# Allegro board SDHCalFEB.brd (continued)
## Placement (name value [footprint] x y rotation side) (continued)
C1190  10nF  [SC0603]  223.04 27.03 180 top
C1191  10nF  [SC0603]  220.88 29.67 180 top
C1196  10pF 1%  [SC0603]  249.15 83.95 180 top
C1197  10pF 1%  [SC0603]  250.67 85.45 180 top
C1198  0.1uF  [SC0402]  219.73 39.8 90 top
C1199  0.1uF  [SC0402]  220.72 39.8 90 top
C1200  0.1uF  [SC0402]  226.1 39.8 90 top
C1201  0.1uF  [SC0402]  222.36 75.84 270 top
C1202  0.1uF  [SC0402]  230.75 39.78 90 top
C1203  0.1uF  [SC0402]  225.11 39.8 90 top
C1204  0.1uF  [SC0402]  231.74 39.78 90 top
C1205  0.1uF  [SC0402]  229.73 39.78 90 top
C1206  0.1uF  [SC0402]  221.35 75.84 90 top
C1207  0.1uF  [SC0402]  235.84 73.44 0 top
C1208  0.1uF  [SC0402]  236.48 45.29 270 top
C1209  0.1uF  [SC0402]  233.36 41.81 270 top
C1210  0.1uF  [SC0402]  217.96 75.22 0 top
C1211  0.1uF  [SC0402]  218.75 39.8 270 top
C1212  0.1uF  [SC0402]  223.02 39.78 270 top
C1213  0.1uF  [SC0402]  224.01 39.78 270 top
C1214  0.1uF  [SC0402]  228.76 39.78 270 top
C1215  10uF  [STC3528]  175.33 98.15 180 top
C1216  10uF  [STC3528]  184.75 33.4 180 top
C1217  10uF  [STC3528]  235.52 76.07 0 top
C1218  10uF  [STC3528]  235.92 39.62 270 top
C1219  10nF  [SC0603]  168.43 78.13 180 top
C1220  10nF  [SC0603]  169.19 93.88 270 top
C1221  10nF  [SC0603]  159.94 86.16 180 top
C1222  10nF  [SC0603]  157.51 90.66 180 top
C1223  10nF  [SC0603]  149.94 86.14 180 top
C1224  10nF  [SC0603]  147.5 90.66 180 top
C1225  10nF  [SC0603]  139.93 86.16 180 top
C1226  10nF  [SC0603]  137.49 90.68 180 top
C1227  10nF  [SC0603]  129.95 86.19 180 top
C1228  10nF  [SC0603]  128.42 94.64 180 top
C1229  10nF  [SC0603]  125.22 93.85 270 top
C1230  10nF  [SC0603]  124.46 86.15 0 top
C1231  10nF  [SC0603]  116.89 90.67 0 top
C1232  10nF  [SC0603]  105.23 89.03 270 top
C1233  10nF  [SC0603]  119.71 71.45 270 top
C1234  10nF  [SC0603]  116.89 80.67 0 top
C1235  10nF  [SC0603]  106.91 80.69 0 top
C1236  10nF  [SC0603]  103.69 79.31 0 top
C1237  10nF  [SC0603]  111.21 69.92 270 top
C1238  10nF  [SC0603]  106.94 73.65 0 top
C1239  10nF  [SC0603]  104.53 71.34 0 top
C1240  10nF  [SC0603]  162.06 73.72 0 top
C1241  10nF  [SC0603]  166.94 70.7 0 top
C1242  10nF  [SC0603]  170.91 69.18 180 top
C1243  10nF  [SC0603]  114.79 65.44 0 top
C1244  10nF  [SC0603]  119.49 62.32 0 top
C1245  10nF  [SC0603]  164.96 66.79 180 top
C1246  10nF  [SC0603]  161.64 62.98 180 top
C1247  10nF  [SC0603]  170.15 63 180 top
C1248  10nF  [SC0603]  109.02 60.7 0 top
C1249  10nF  [SC0603]  102.23 63.29 0 top
C1250  10nF  [SC0603]  105.21 58.97 0 top
C1251  10nF  [SC0603]  104.44 56.18 0 top
C1253  10nF  [SC0603]  112.04 53.72 0 top
C1258  10nF  [SC0603]  118.16 53.36 0 top
C1259  10nF  [SC0603]  104.47 46.15 0 top
C1262  10nF  [SC0603]  112.04 43.71 0 top
C1268  10nF  [SC0603]  120.65 42.04 90 top
C1269  10nF  [SC0603]  121.21 32.36 0 top
C1270  10nF  [SC0603]  119.89 29.71 0 top
C1271  10nF  [SC0603]  121.28 23.57 0 top
C1272  10nF  [SC0603]  121.31 20.95 0 top
C1273  10nF  [SC0603]  129.21 21.97 90 top
C1274  10nF  [SC0603]  131.83 22.05 90 top
C1275  10nF  [SC0603]  141.15 18.57 180 top
C1276  10nF  [SC0603]  141.05 21.16 180 top
C1277  10nF  [SC0603]  142.42 27.23 180 top
C1278  10nF  [SC0603]  141.17 29.87 180 top
C1283  10pF 1%  [SC0603]  170.15 83.8 180 top
C1284  10pF 1%  [SC0603]  171.68 85.3 180 top
C1285  0.1uF  [SC0402]  139.72 39.8 90 top
C1286  0.1uF  [SC0402]  140.73 39.8 90 top
C1287  0.1uF  [SC0402]  146.09 39.83 90 top
C1288  0.1uF  [SC0402]  142.35 75.82 270 top
C1289  0.1uF  [SC0402]  150.66 39.8 90 top
C1290  0.1uF  [SC0402]  145.1 39.8 90 top
C1291  0.1uF  [SC0402]  151.65 39.8 90 top
C1292  0.1uF  [SC0402]  149.67 39.8 90 top
C1293  0.1uF  [SC0402]  141.34 75.82 90 top
C1294  0.1uF  [SC0402]  155.83 73.39 0 top
C1295  0.1uF  [SC0402]  156.47 45.29 270 top
C1296  0.1uF  [SC0402]  153.12 41.81 270 top
C1297  0.1uF  [SC0402]  137.95 75.22 0 top
C1298  0.1uF  [SC0402]  138.74 39.8 270 top
C1299  0.1uF  [SC0402]  142.99 39.8 270 top
C1300  0.1uF  [SC0402]  143.98 39.8 270 top
C1301  0.1uF  [SC0402]  148.7 39.8 270 top
C1302  10uF  [STC3528]  105.12 32.89 180 top
C1303  10uF  [STC3528]  114.93 97.03 180 top
C1304  10uF  [STC3528]  155.71 75.79 0 top
C1305  10uF  [STC3528]  157.39 41.43 0 top
C1306  10nF  [SC0603]  88.42 78.13 180 top
C1307  10nF  [SC0603]  89.18 93.88 270 top
C1308  10nF  [SC0603]  79.93 86.16 180 top
C1309  10nF  [SC0603]  77.5 90.68 180 top
C1310  10nF  [SC0603]  69.95 86.14 180 top
C1311  10nF  [SC0603]  67.51 90.66 180 top
C1312  10nF  [SC0603]  59.94 86.14 180 top
C1313  10nF  [SC0603]  57.51 90.68 180 top
C1314  10nF  [SC0603]  49.93 86.17 180 top
C1315  10nF  [SC0603]  48.41 94.64 180 top
C1316  10nF  [SC0603]  45.21 93.88 270 top
C1317  10nF  [SC0603]  44.45 86.15 0 top
C1320  10nF  [SC0603]  39.19 73.86 270 top
C1323  10nF  [SC0603]  31.61 72.15 0 top
C1326  10nF  [SC0603]  31.66 69.53 0 top
C1327  10nF  [SC0603]  82.19 73.71 0 top
C1328  10nF  [SC0603]  86.94 70.71 0 top
C1329  10nF  [SC0603]  90.93 69.19 180 top
C1330  10nF  [SC0603]  32.92 63.75 0 top
C1331  10nF  [SC0603]  32.97 61.21 0 top
C1332  10nF  [SC0603]  84.51 66.76 180 top
C1333  10nF  [SC0603]  81.64 62.97 180 top
C1334  10nF  [SC0603]  90.17 63 180 top
C1336  10nF  [SC0603]  31.47 55.06 0 top
C1340  10nF  [SC0603]  31.45 52.45 0 top
C1355  10nF  [SC0603]  40.67 42.04 90 top
C1356  10nF  [SC0603]  40.92 32.53 0 top
C1357  10nF  [SC0603]  39.62 29.97 0 top
C1358  10nF  [SC0603]  41.3 24.02 0 top
C1359  10nF  [SC0603]  41.25 21.36 0 top
C1360  10nF  [SC0603]  49.38 22.71 90 top
C1361  10nF  [SC0603]  51.74 22.71 90 top
C1362  10nF  [SC0603]  60.66 18.62 180 top
C1363  10nF  [SC0603]  60.5 21.29 180 top
C1364  10nF  [SC0603]  61.93 27.23 180 top
C1365  10nF  [SC0603]  60.66 29.85 180 top
C1370  10pF 1%  [SC0603]  89.53 84.13 180 top
C1371  10pF 1%  [SC0603]  91.06 85.63 180 top
C1372  0.1uF  [SC0402]  59.71 39.8 90 top
C1373  0.1uF  [SC0402]  60.7 39.8 90 top
C1374  0.1uF  [SC0402]  66.08 39.78 90 top
C1375  0.1uF  [SC0402]  62.34 75.82 270 top
C1376  0.1uF  [SC0402]  70.68 39.78 90 top
C1377  0.1uF  [SC0402]  65.09 39.78 90 top
C1378  0.1uF  [SC0402]  71.67 39.78 90 top
C1379  0.1uF  [SC0402]  69.69 39.78 90 top
C1380  0.1uF  [SC0402]  61.33 75.82 90 top
C1381  0.1uF  [SC0402]  75.84 73.44 0 top
C1382  0.1uF  [SC0402]  76.44 45.29 270 top
C1383  0.1uF  [SC0402]  73.49 40.82 270 top
C1384  0.1uF  [SC0402]  57.94 75.19 0 top
C1385  0.1uF  [SC0402]  58.72 39.79 270 top
C1386  0.1uF  [SC0402]  62.97 39.77 270 top
C1387  0.1uF  [SC0402]  63.96 39.77 270 top
C1388  0.1uF  [SC0402]  68.68 39.77 270 top
C1389  10uF  [STC3528]  30.9 80.87 180 top
C1390  10uF  [STC3528]  32 41.01 270 top
C1391  10uF  [STC3528]  75.29 76.17 0 top
C1392  10uF  [STC3528]  77.68 41.55 0 top
C1393  0.1uF  [SC0603]  268.26 345.97 270 top
C1394  10uF  [STC3528]  263.36 350.32 180 top
C1395  0.47uF  [SC0603]  265.63 342.66 180 top
C1396  1nF  [SC0603]  215.15 346.34 90 top
C1397  1nF  [SC0603]  214.72 351.81 270 top
C1398  0.1uF  [SC0603]  272.3 346.34 0 top
C1399  0.1uF  [SC0603]  218.5 341.36 0 top
C1400  0.1uF  [SC0603]  236.97 352.56 180 top
C1401  0.1uF  [SC0603]  213 358.18 180 top
C1402  0.1uF  [SC0603]  193.08 352.39 180 top
C1403  10uF  [STC3528]  185.16 349.88 180 top
C1404  10uF  [STC3528]  223.68 350.55 0 top
C1405  10uF  [STC3528]  277.25 349.81 0 top
C1406  10uF  [STC3528]  205.5 349 180 top
C1407  10uF  [STC3528]  232.83 349.68 180 top
C1410  0.1uF  [SC0603]  355.03 202.16 90 top
C1411  0.1uF  [SC0603]  355.05 199.14 270 top
C1412  0.1uF  [SC0603]  355.13 193.42 90 top
C1413  0.1uF  [SC0603]  355.16 190.4 270 top
C1414  0.1uF  [SC0603]  355.38 137.92 90 top
C1415  0.1uF  [SC0603]  356.16 135.65 0 top
C1416  0.1uF  [SC0603]  356.11 126.56 0 top
C1417  0.1uF  [SC0603]  355.33 128.83 90 top
C1418  10uF  [STC3528]  357.76 202.44 90 top
C1419  10uF  [STC3528]  358.09 190.32 270 top
C1420  10uF  [STC3528]  360.22 138.38 0 top
C1421  10uF  [STC3528]  359.91 130.96 45 top
C1422  0.1uF  [SC0603]  354.88 181.97 90 top
C1423  0.1uF  [SC0603]  355 170.21 90 top
C1424  0.1uF  [SC0603]  355.16 158.45 90 top
C1425  0.1uF  [SC0603]  354.95 147.09 90 top
C1426  10uF  [STC3528]  357.68 182.27 90 top
C1427  10uF  [STC3528]  360.22 166.95 0 top
C1428  10uF  [STC3528]  359.77 155.88 0 top
C1429  10uF  [STC3528]  358.37 144.25 270 top
C1430  0.1uF  [SC0603]  350.94 323.72 270 top
C1431  0.1uF  [SC0603]  354.32 239.55 270 top
C1432  0.1uF  [SC0603]  354.67 208.48 270 top
C1433  0.1uF  [SC0603]  375.98 215.14 270 top
C1434  0.1uF  [SC0603]  91.21 357.47 0 top
C1435  0.1uF  [SC0603]  90.98 350.74 0 top
C1436  0.1uF  [SC0603]  90.68 343.5 0 top
C1437  0.1uF  [SC0603]  105.21 352.34 180 top
C1438  0.1uF  [SC0603]  131.19 356.55 180 top
C1439  0.1uF  [SC0603]  131.22 349.08 180 top
C1440  0.1uF  [SC0603]  131.29 342.15 180 top
C1441  0.1uF  [SC0603]  360.1 169.74 0 top
C1442  0.1uF  [SC0603]  363.07 285 180 top
C1443  0.1uF  [SC0603]  363.02 286.65 180 top
C1444  0.1uF  [SC0603]  359.75 175.77 270 top
C1445  0.1uF  [SC0603]  363.75 295.69 180 top
C1446  10uF  [STC3528]  58.47 355.4 90 top
C1447  10uF  [STC3528]  84.73 24.23 270 top
C1448  10uF  [STC3528]  165.56 26.9 270 top
C1449  10uF  [STC3528]  320.95 23.65 270 top
C1450  10uF  [STC3528]  245.41 26.26 270 top
C1451  10uF  [STC3528]  99.54 336.8 0 top
C1452  10uF  [STC3528]  159.72 350.29 0 top
C1453  10uF  [STC3528]  176.2 353.52 180 top
C1454  10uF  [STC3528]  350.59 265.75 315 top
C1455  10uF  [STC3528]  63.73 355.4 90 top
C1456  10uF  [STC3528]  323.42 47.37 0 top
C1457  10uF  [STC3528]  369.42 185.9 0 top
C1458  10uF  [STC3528]  159.69 354.43 0 top
C1459  0.1uF  [SC0603]  387.76 98.76 90 bottom
C1460  10uF  [STC3528]  389.28 93.34 270 bottom
C1461  10uF  [SC0805]  377.6 107.69 90 top
C1462  10uF  [SC0805]  379.6 107.69 90 top
C1463  47uF  [SC1206]  375.23 108.08 90 top
C1464  0.1uF  [SC0603]  368.02 103.96 90 top
C1465  10uF  [STC3528]  371.93 96.9 270 top
C1466  47uF  [SC1206]  384.25 107.24 270 top
C1467  0.1uF  [SC0603]  375.47 102.18 180 top
C1468  0.1uF  [SC0603]  384.73 102.9 0 top
C1469  10uF  [SC0805]  378.97 290.37 90 top
C1470  10uF  [SC0805]  380.97 290.37 90 top
C1471  47uF  [SC1206]  376.63 290.75 90 top
C1472  0.1uF  [SC0603]  369.37 293.19 90 top
C1473  10uF  [STC3528]  364.34 289.38 180 top
C1474  47uF  [SC1206]  384.3 290.56 270 top
C1475  0.1uF  [SC0603]  376.78 285.01 180 top
C1476  0.1uF  [SC0603]  386.3 285.39 0 top
C1477  0.1uF  [SC0603]  345.43 322.35 270 top
C1478  0.1uF  [SC0603]  349.75 238.46 270 top
C1479  0.1uF  [SC0603]  350 207.31 270 top
C1480  0.1uF  [SC0603]  356.96 108.86 315 top
C1481  10uF  [STC3528]  347.85 105.73 225 top
C1482  10uF  [STC3528]  351.89 348.28 0 top
C1483  10uF  [STC3528]  363.45 212.27 0 top
C1484  10uF  [STC3528]  363.14 240.13 0 top
C1485  0.1uF  [SC0603]  359.23 103.29 180 top
C1486  10uF  [STC3528]  362.97 106.2 90 top
C1487  10uF  [STC3528]  395.48 90.35 90 bottom
C1488  0.1uF  [SC0603]  379.35 90.7 0 bottom
D1  Green  [SD0805]  350.72 22.81 180 top
D2  Green  [SD0805]  350.72 26.62 180 top
D3  Green  [SD0805]  350.72 30.43 180 top
D4  Green  [SD0805]  350.72 34.24 180 top
D6  Green  [SD0805]  355.09 38.02 0 top
D7  Green  [SD0805]  364.03 88.62 270 top
D8  Green  [SD0805]  374.73 280.57 180 top
G1  GemGndPad  [GEMGNDPAD]  1.7 1.7 180 bottom
G2  GemGndPad  [GEMGNDPAD]  1.7 372.7 180 bottom
G3  GemGndPad  [GEMGNDPAD]  372.7 372.7 180 bottom
G4  GemGndPad  [GEMGNDPAD]  372.7 1.7 180 bottom
J1  -  [SMA_SMD]  341.66 315.06 0 top
J2  -  [SMA_SMD]  331.65 275.46 0 top
J3  -  [SMA_SMD]  256.7 327.01 0 top
J4  -  [SMA_SMD]  253.65 275.22 0 top
J5  -  [SMA_SMD]  177.55 327.13 0 top
J6  -  [SMA_SMD]  172.98 275.79 0 top
J7  -  [SMA_SMD]  97.42 327.1 0 top
J8  -  [SMA_SMD]  90.97 277.09 0 top
J9  -  [SMA_SMD]  337.85 247.14 0 top
J10  -  [SMA_SMD]  332.72 196.44 0 top
J11  -  [SMA_SMD]  256.35 247.14 0 top
J12  -  [SMA_SMD]  253.65 196.39 0 top
J13  -  [SMA_SMD]  176.36 247.12 0 top
J14  -  [SMA_SMD]  173.08 196.57 0 top
J15  -  [SMA_SMD]  96.38 247.24 0 top
J16  -  [SMA_SMD]  93.43 196.52 0 top
J17  -  [SMA_SMD]  337.8 167.18 0 top
J18  -  [SMA_SMD]  333 116.51 0 top
J19  -  [SMA_SMD]  256.83 167.69 0 top
J20  -  [SMA_SMD]  252.94 116 0 top
J21  -  [SMA_SMD]  176.64 166.95 0 top
J22  -  [SMA_SMD]  172.65 116.81 0 top
J23  -  [SMA_SMD]  96.4 167.11 0 top
J24  -  [SMA_SMD]  93 115.95 0 top
J25  -  [SMA_SMD]  337.22 87.15 0 top
J26  -  [SMA_SMD]  332.75 36.63 0 top
J27  -  [SMA_SMD]  256.07 86.94 0 top
J28  -  [SMA_SMD]  252.26 36.37 0 top
J29  -  [SMA_SMD]  177.12 86.84 0 top
J30  -  [SMA_SMD]  173.57 35.89 0 top
J31  -  [SMA_SMD]  96.4 87.12 0 top
J32  -  [SMA_SMD]  92.95 35.89 0 top
J33  CONN  [ERNI154744FEMALECONNECTOR]  393.97 148.21 0 top
J34  CONN  [ERNI154744FEMALECONNECTOR]  393.97 211.97 0 top
J35  CONN  [ERNI154744FEMALECONNECTOR]  393.97 275.72 0 top
J36  -  [SMA_SMD]  307.29 346.2 0 top
J37  -  [SMA_SMD]  225.58 336.7 0 top
J38  -  [SMA_SMD]  147.19 341.45 0 top
J39  -  [SMA_SMD]  42.09 342.93 0 top
J40  -  [SMA_SMD]  296.88 346.48 0 top
J41  -  [SMA_SMD]  188.47 338.79 0 top
J42  -  [SMA_SMD]  108.33 338.08 0 top
J43  -  [SMA_SMD]  30.05 336.48 0 top
J44  -  [SMA_SMD]  338 265.38 0 top
J45  -  [SMA_SMD]  257.23 257.3 0 top
J46  -  [SMA_SMD]  177.57 257.79 0 top
J47  -  [SMA_SMD]  98.09 257.63 0 top
J48  -  [SMA_SMD]  337.34 177.47 0 top
J49  -  [SMA_SMD]  257.81 177.67 0 top
J50  -  [SMA_SMD]  177.24 177.5 0 top
J51  -  [SMA_SMD]  97.21 177.42 0 top
J52  -  [SMA_SMD]  265.1 24.61 0 top
J53  -  [SMA_SMD]  186.11 24.44 0 top
J54  -  [SMA_SMD]  105.18 23.6 0 top
J55  DC Jack  [SIP-4P-156]  384.37 84.76 180 top
J56  -  [SMA_SMD]  186.54 97.69 0 top
J57  -  [SMA_SMD]  105.11 98.3 0 top
J58  -  [SMA_SMD]  35.28 88.44 0 top
J59  -  [SMA_SMD]  338.07 257.58 0 top
J60  -  [SMA_SMD]  187.4 257.71 0 top
J61  -  [SMA_SMD]  275.11 178.1 0 top
J62  -  [SMA_SMD]  106.55 257.68 0 top
J63  -  [SMA_SMD]  33.25 257.58 0 top
J64  -  [SMA_SMD]  186.44 177.57 0 top
J65  -  [SMA_SMD]  106.27 177.6 0 top
J66  -  [SMA_SMD]  35.48 176.05 0 top
J67  -  [SMA_SMD]  266.37 97.71 0 top
J68  -  [SMA_SMD]  23.42 24.05 0 top
L1  10uH  [SL1812]  385.01 92.71 90 bottom
L2  10uH  [SL1812]  371.74 104.4 270 top
L3  10uH  [SL1812]  371.64 289.37 180 top
M1  MECH_HOLE_3MM  [MECH_HOLE_3_2MM_PLATED]  395.81 82.3 0 top
M2  MECH_HOLE_3MM  [MECH_HOLE_3_2MM_PLATED]  395.81 292.1 0 top
NOREF  -  []  383.67 163.19 0 top
NOREF#2  -  []  417.25 16.33 0 top
NOREF#3  -  []  247.27 214.71 0 top
NOREF#4  -  []  343.05 180.06 0 top
NOREF#5  -  []  214.88 134.67 0 top
NOREF#6  -  []  357.63 39.81 90 top
NOREF#7  -  []  208.33 132.46 0 top
NOREF#8  -  []  217.93 135.76 0 top
NOREF#9  -  []  374.4 0 90 top
NOREF#10  -  []  400.25 77 90 top
NOREF#11  -  []  343.36 73.58 0 top
NOREF#12  -  []  377.7 165.51 0 top
NOREF#13  -  []  242.16 213.39 0 top
NOREF#14  -  []  282.42 289.94 0 top
NOREF#15  -  []  178.56 53.16 0 top
NOREF#16  -  []  289.84 295.4 0 top
NOREF#17  -  []  223.93 137.08 0 top
NOREF#18  -  []  340.36 206.58 0 top
NOREF#19  -  []  184.48 54.46 0 top
NOREF#20  -  []  343.31 215.82 0 top
NOREF#21  -  []  343.13 74.96 0 top
NOREF#22  -  []  350.47 10.79 90 top
NOREF#23  -  []  343.28 179.43 0 top
NOREF#24  -  []  250.09 215.77 0 top
NOREF#25  -  []  342.49 76.71 0 top
NOREF#26  -  []  300.4 339.4 0 top
NOREF#27  -  []  375.77 35.52 90 top
NOREF#28  -  []  209.8 133.38 0 top
NOREF#29  -  []  258.24 217.3 0 top
NOREF#30  -  []  374.4 297.4 0 top
NOREF#31  -  []  225.91 137.26 0 top
NOREF#32  -  []  212.17 134.44 0 top
NOREF#33  -  []  342.9 216.59 0 top
NOREF#34  -  []  368.2 42.24 90 top
NOREF#35  -  []  295.73 296.34 0 top
NOREF#36  -  []  256.51 217.07 0 top
NOREF#37  -  []  192.46 55.98 0 top
NOREF#38  -  []  180.49 53.37 0 top
NOREF#39  -  []  280.77 289.71 0 top
NOREF#40  -  []  197 57.3 0 top
NOREF#41  -  []  -12.04 193.45 0 top
NOREF#42  -  []  341.66 81.41 0 top
NOREF#43  -  []  339.27 202.72 0 top
NOREF#44  -  []  341.41 82.68 0 top
NOREF#45  -  []  345.11 190.12 0 top
NOREF#46  -  []  0 374.4 0 top
NOREF#47  -  []  332.41 149.1 0 top
NOREF#48  -  []  342.34 211.38 0 top
NOREF#49  -  []  339.52 203.71 0 top
NOREF#50  -  []  342.21 185.14 0 top
NOREF#51  -  []  190.55 55.75 0 top
NOREF#52  -  []  331.62 147.96 0 top
NOREF#53  -  []  323.8 159.08 0 top
NOREF#54  -  []  241 213.16 0 top
NOREF#55  -  []  323.6 160.02 0 top
NOREF#56  -  []  340.59 207.72 0 top
NOREF#57  -  []  0 0 90 top
NOREF#58  -  []  252.73 216 0 top
NOREF#59  -  []  344.12 175.77 0 top
NOREF#60  -  []  288.47 295.17 0 top
NOREF#61  -  []  355.04 335.38 0 top
NOREF#62  -  []  344.88 191.44 0 top
NOREF#63  -  []  380.8 168.25 0 top
NOREF#64  -  []  381.66 168.05 0 top
NOREF#65  -  []  326.36 153.31 0 top
NOREF#66  -  []  374.4 297.4 90 top
NOREF#67  -  []  287.63 292.46 0 top
NOREF#68  -  []  343.89 176.48 0 top
NOREF#69  -  []  370.28 178.97 0 top
NOREF#70  -  []  294 296.09 0 top
NOREF#71  -  []  375.56 165.74 0 top
NOREF#72  -  []  286.89 291.39 0 top
NOREF#73  -  []  195.68 57.05 0 top
NOREF#74  -  []  384.76 162.97 0 top
NOREF#75  -  []  344.02 71.7 0 top
NOREF#76  -  []  344.25 71.07 0 top
NOREF#77  -  []  245.24 214.48 0 top
NOREF#78  -  []  371.65 177.24 0 top
NOREF#79  -  []  342.29 77.8 0 top
NOREF#80  -  []  342.57 212.5 0 top
NOREF#81  -  []  331.95 145.29 0 top
NOREF#82  -  []  187.4 54.66 0 top
NOREF#83  -  []  219.48 135.97 0 top
NOREF#84  -  []  327.46 154.69 0 top
NOREF#85  -  []  331.5 144.53 0 top
NOREF#86  -  []  342.42 183.9 0 top
P1  Pad30x30V2  [PADREADOUTARRAY1V1]  337.2 37.2 180 bottom
R1  100  [SR0603]  332.2 318.89 270 top
R2  100  [SR0603]  332.2 329 270 top
R3  100  [SR0603]  322.2 325.43 90 top
R4  100  [SR0603]  319.76 331.44 270 top
R5  100  [SR0603]  312.19 325.44 90 top
R6  100  [SR0603]  309.76 331.43 270 top
R7  100  [SR0603]  300.68 326.91 90 top
R8  100  [SR0603]  299.7 331.43 270 top
R9  100  [SR0603]  292.2 325.46 90 top
R10  100  [SR0603]  291.44 334.65 180 top
R11  100  [SR0603]  282.96 334.67 0 top
R12  100  [SR0603]  282.2 325.45 90 top
R13  100  [SR0603]  274.7 331.44 270 top
R14  100  [SR0603]  262.94 329.76 0 top
R15  100  [SR0603]  281.94 312.2 180 top
R16  100  [SR0603]  274.65 321.43 270 top
R17  100  [SR0603]  265.46 322.19 0 top
R18  100  [SR0603]  260.15 320.21 0 top
R19  100  [SR0603]  271.9 312.2 180 top
R20  100  [SR0603]  263.94 313.66 0 top
R21  100  [SR0603]  262.13 311.45 0 top
R22  100  [SR0603]  320.68 313.08 90 top
R23  100  [SR0603]  324.01 310.71 0 top
R24  100  [SR0603]  333.68 310.43 270 top
R25  100  [SR0603]  272.85 304.78 90 top
R26  100  [SR0603]  276.33 302.2 0 top
R27  100  [SR0603]  321.59 304.3 180 top
R28  100  [SR0603]  323.97 302.18 270 top
R29  100  [SR0603]  329.71 301.44 270 top
R30  100  [SR0603]  269.87 301.45 180 top
R31  100  [SR0603]  264.77 305.58 270 top
R32  100  [SR0603]  262.94 299.72 270 top
R33  100  [SR0603]  262.18 295.46 90 top
R34  100  [SR0603]  262.18 288.75 90 top
R35  100  [SR0603]  267.25 292.26 180 top
R36  100  [SR0603]  270.06 288.55 90 top
R37  100  [SR0603]  331.95 292.21 180 top
R38  100  [SR0603]  322.94 294.77 90 top
R39  100  [SR0603]  327.2 290.88 270 top
R40  100  [SR0603]  276.92 290 90 top
R41  100  [SR0603]  261.17 284.99 90 top
R42  100  [SR0603]  263.61 280.14 90 top
R43  100  [SR0603]  262.18 275.42 90 top
R44  100  [SR0603]  269.67 281.46 180 top
R45  100  [SR0603]  273.89 275.04 90 top
R46  100  [SR0603]  273.22 271.45 0 top
R47  100  [SR0603]  331.43 284.65 180 top
R48  100  [SR0603]  324.73 282.97 90 top
R49  100  [SR0603]  321.14 282.2 0 top
R50  100  [SR0603]  281.44 279.75 180 top
R51  100  [SR0603]  262.95 264.82 0 top
R52  100  [SR0603]  271.49 263.2 0 top
R53  100  [SR0603]  283.2 271.45 0 top
R54  100  [SR0603]  278.96 262.2 180 top
R55  100  [SR0603]  288.99 262.2 180 top
R56  100  [SR0603]  288.96 272.21 180 top
R57  100  [SR0603]  298.97 262.2 180 top
R58  100  [SR0603]  308.98 262.2 180 top
R59  100  [SR0603]  318.96 262.2 180 top
R60  100  [SR0603]  328.97 262.2 180 top
R61  100  [SR0603]  331.43 269.72 180 top
R62  100  [SR0603]  321.45 269.74 180 top
R63  100  [SR0603]  311.44 269.69 180 top
R64  100  [SR0603]  302.5 272.19 0 top
R65  0  [SR0603]  326.89 318.13 180 top
R66  x  [SR0603]  326.89 316.58 180 top
R67  x  [SR0603]  307.24 279.49 270 top
R68  0  [SR0603]  314.64 273.99 180 top
R69  x  [SR0603]  316.17 272.06 0 top
R70  x  [SR0603]  314.64 275.43 180 top
R71  50  [SR0603]  336.78 314.29 270 top
R72  50  [SR0603]  326.62 276.21 270 top
R77  10k  [SR0603]  79.57 357.46 0 top
R78  10k  [SR0603]  79.44 350.72 180 top
R79  10k  [SR0603]  79.13 343.54 0 top
R80  10k  [SR0603]  389.52 242.7 0 top
R81  10k  [SR0603]  389.52 240.16 0 top
R82  10k  [SR0603]  396.47 241.43 180 bottom
R83  10k  [SR0603]  389.48 237.62 0 top
R84  10k  [SR0603]  396.49 238.89 180 bottom
R85  100  [SR0603]  251.43 318.21 180 top
R86  100  [SR0603]  251.43 334.64 180 top
R87  100  [SR0603]  242.21 325.45 90 top
R88  100  [SR0603]  241.76 331.44 270 top
R89  100  [SR0603]  232.2 325.45 90 top
R90  100  [SR0603]  229.7 331.44 270 top
R91  100  [SR0603]  222.2 325.45 90 top
R92  100  [SR0603]  219.71 331.44 270 top
R93  100  [SR0603]  212.21 325.45 90 top
R94  100  [SR0603]  211.46 334.74 180 top
R95  100  [SR0603]  202.97 334.73 0 top
R96  100  [SR0603]  202.21 325.48 90 top
R97  100  [SR0603]  197.67 331.44 270 top
R98  100  [SR0603]  182.96 329.7 0 top
R99  100  [SR0603]  201.9 312.21 180 top
R100  100  [SR0603]  194.69 321.44 270 top
R101  100  [SR0603]  185.45 322.2 0 top
R102  100  [SR0603]  179.5 320.07 0 top
R103  100  [SR0603]  191.95 312.19 180 top
R104  100  [SR0603]  184.02 313.66 0 top
R105  100  [SR0603]  181.58 311.68 0 top
R106  100  [SR0603]  240.13 312.9 90 top
R107  100  [SR0603]  244.02 310.72 0 top
R108  100  [SR0603]  252.2 311.89 270 top
R109  100  [SR0603]  192.66 304.32 90 top
R110  100  [SR0603]  196.39 302.08 0 top
R111  100  [SR0603]  256.18 311.89 270 top
R112  100  [SR0603]  241.45 304.75 90 top
R113  100  [SR0603]  252.93 304.7 90 top
R114  100  [SR0603]  188.93 302.21 180 top
R115  100  [SR0603]  181.66 305.51 270 top
R116  100  [SR0603]  182.96 299.72 270 top
R117  100  [SR0603]  182.19 295.48 90 top
R118  100  [SR0603]  182.22 288.47 90 top
R119  100  [SR0603]  188.54 292.18 180 top
R120  100  [SR0603]  189.89 287.48 90 top
R121  100  [SR0603]  251.92 292.2 180 top
R122  100  [SR0603]  242.95 294.72 90 top
R123  100  [SR0603]  244.6 289.69 90 top
R124  100  [SR0603]  196.75 289.59 90 top
R125  100  [SR0603]  181.15 285.06 90 top
R126  100  [SR0603]  183.59 279.17 90 top
R127  100  [SR0603]  183.69 273.94 90 top
R128  100  [SR0603]  190.42 280.72 180 top
R129  100  [SR0603]  195.22 276 90 top
R130  100  [SR0603]  193.24 271.48 0 top
R131  100  [SR0603]  252.17 283.95 180 top
R132  100  [SR0603]  242.24 283.97 0 top
R133  100  [SR0603]  239.9 279.32 90 top
R134  100  [SR0603]  199.69 281.46 180 top
R135  100  [SR0603]  182.96 264.72 0 top
R136  100  [SR0603]  191.49 263.22 0 top
R137  100  [SR0603]  204.44 271.14 0 top
R138  100  [SR0603]  202.21 262.48 90 top
R139  100  [SR0603]  208.91 262.2 180 top
R140  100  [SR0603]  210.72 270.43 270 top
R141  100  [SR0603]  218.92 262.2 180 top
R142  100  [SR0603]  228.96 262.2 180 top
R143  100  [SR0603]  238.96 262.2 180 top
R144  100  [SR0603]  248.95 262.2 180 top
R145  100  [SR0603]  251.43 269.75 180 top
R146  100  [SR0603]  241.43 269.7 180 top
R147  100  [SR0603]  231.44 269.72 180 top
R148  100  [SR0603]  222.5 272.21 0 top
R149  0  [SR0603]  245.39 318.18 180 top
R150  x  [SR0603]  245.39 319.71 180 top
R151  x  [SR0603]  227.36 279.35 270 top
R152  0  [SR0603]  244.22 273.81 180 top
R153  x  [SR0603]  244.22 275.23 180 top
R154  50  [SR0603]  251.76 327.76 90 top
R155  50  [SR0603]  248.57 276 270 top
R168  100  [SR0603]  171.42 318.29 180 top
R169  100  [SR0603]  171.44 334.62 180 top
R170  100  [SR0603]  162.2 325.43 90 top
R171  100  [SR0603]  161.72 331.44 270 top
R172  100  [SR0603]  152.2 325.41 90 top
R173  100  [SR0603]  151.74 331.44 270 top
R174  100  [SR0603]  142.19 325.46 90 top
R175  100  [SR0603]  139.73 331.44 270 top
R176  100  [SR0603]  132.21 325.43 90 top
R177  100  [SR0603]  131.44 334.7 180 top
R178  100  [SR0603]  122.97 334.67 0 top
R179  100  [SR0603]  122.2 325.46 90 top
R180  100  [SR0603]  117.65 331.44 270 top
R181  100  [SR0603]  102.98 329.67 0 top
R182  100  [SR0603]  121.91 312.19 180 top
R183  100  [SR0603]  114.68 321.43 270 top
R184  100  [SR0603]  105.44 322.2 0 top
R185  100  [SR0603]  100.16 319.53 0 top
R186  100  [SR0603]  111.9 312.19 180 top
R187  100  [SR0603]  104.02 313.66 0 top
R188  100  [SR0603]  101.76 311.28 0 top
R189  100  [SR0603]  160.83 312.96 90 top
R190  100  [SR0603]  163.94 310.72 0 top
R191  100  [SR0603]  171.44 312.67 180 top
R192  100  [SR0603]  111.91 305.46 90 top
R193  100  [SR0603]  115.06 303 0 top
R194  100  [SR0603]  176.03 311.51 270 top
R195  100  [SR0603]  161.46 304.67 90 top
R196  100  [SR0603]  171.47 304.72 90 top
R197  100  [SR0603]  108.97 302.21 180 top
R198  100  [SR0603]  100.05 305.44 270 top
R199  100  [SR0603]  101.45 299.72 270 top
R200  100  [SR0603]  102.21 295.71 90 top
R201  100  [SR0603]  102.18 288.65 90 top
R202  100  [SR0603]  108.33 292.2 180 top
R203  100  [SR0603]  109.47 287.27 90 top
R204  100  [SR0603]  172.21 295.5 90 top
R205  100  [SR0603]  162.94 294.69 90 top
R206  100  [SR0603]  167.82 292.18 0 top
R207  100  [SR0603]  116.07 289.84 90 top
R208  100  [SR0603]  103.25 284.43 90 top
R209  100  [SR0603]  100.99 278.51 180 top
R210  100  [SR0603]  102.97 274.65 0 top
R211  100  [SR0603]  110.44 280.72 180 top
R212  100  [SR0603]  114.42 274.57 90 top
R213  100  [SR0603]  114 270.74 0 top
R214  100  [SR0603]  171.45 284.63 180 top
R215  100  [SR0603]  164.66 282.96 90 top
R216  100  [SR0603]  160.83 282.2 0 top
R217  100  [SR0603]  121.44 279.7 180 top
R218  100  [SR0603]  102.97 264.7 0 top
R219  100  [SR0603]  111.48 263.2 0 top
R220  100  [SR0603]  123.98 270.74 0 top
R221  100  [SR0603]  119.71 262.97 90 top
R222  100  [SR0603]  128.96 262.2 180 top
R223  100  [SR0603]  130.71 270.46 270 top
R224  100  [SR0603]  138.99 262.2 180 top
R225  100  [SR0603]  148.97 262.2 180 top
R226  100  [SR0603]  158.95 262.2 180 top
R227  100  [SR0603]  168.96 262.2 180 top
R228  100  [SR0603]  171.45 269.72 180 top
R229  100  [SR0603]  161.44 269.69 180 top
R230  100  [SR0603]  151.43 269.67 180 top
R231  100  [SR0603]  142.47 272.19 0 top
R232  0  [SR0603]  165.35 318.31 180 top
R233  x  [SR0603]  165.35 319.81 180 top
R234  x  [SR0603]  147.25 279.4 270 top
R235  0  [SR0603]  163.02 274.29 180 top
R236  x  [SR0603]  163.02 275.79 180 top
R237  50  [SR0603]  172.79 327.89 90 top
R238  50  [SR0603]  168.58 276.56 270 top
R251  100  [SR0603]  91.43 318.11 180 top
R252  100  [SR0603]  91.43 334.62 180 top
R253  100  [SR0603]  82.19 325.43 90 top
R254  100  [SR0603]  81.74 331.44 270 top
R255  100  [SR0603]  72.19 325.43 90 top
R256  100  [SR0603]  69.72 331.44 270 top
R257  100  [SR0603]  62.2 325.43 90 top
R258  100  [SR0603]  58.97 332.21 180 top
R259  100  [SR0603]  52.2 325.43 90 top
R260  100  [SR0603]  51.43 334.67 180 top
R261  100  [SR0603]  42.96 332.71 0 top
R262  100  [SR0603]  42.96 322.78 0 top
R265  100  [SR0603]  39.97 313.21 180 top
R268  100  [SR0603]  32.89 321.63 270 top
R271  100  [SR0603]  30.3 322.77 270 top
R272  100  [SR0603]  24.77 321.3 270 top
R273  100  [SR0603]  81.42 314.71 180 top
R274  100  [SR0603]  88.97 312.19 180 top
R275  100  [SR0603]  21.95 321.05 270 top
R276  100  [SR0603]  26.42 306.2 0 top
R277  100  [SR0603]  93.7 314.62 270 top
R278  100  [SR0603]  82.19 302.5 90 top
R279  100  [SR0603]  92.2 302.47 90 top
R281  100  [SR0603]  27.24 298.83 0 top
R284  100  [SR0603]  27.26 296.24 0 top
R286  100  [SR0603]  20.78 278.04 90 top
R287  100  [SR0603]  92.2 295.46 90 top
R288  100  [SR0603]  82.19 295.41 90 top
R289  100  [SR0603]  87.44 292.4 0 top
R290  100  [SR0603]  23.55 278.16 90 top
R292  100  [SR0603]  29.57 276.63 90 top
R295  100  [SR0603]  32.28 277.72 90 top
R297  100  [SR0603]  91.44 284.68 180 top
R298  100  [SR0603]  84.68 282.96 90 top
R299  100  [SR0603]  78.61 282.19 0 top
R300  100  [SR0603]  41.43 279.7 180 top
R303  100  [SR0603]  42.95 269.72 0 top
R304  100  [SR0603]  39.67 262.97 90 top
R305  100  [SR0603]  48.95 262.2 180 top
R306  100  [SR0603]  50.72 270.43 270 top
R307  100  [SR0603]  58.98 262.2 180 top
R308  100  [SR0603]  68.99 262.2 180 top
R309  100  [SR0603]  78.94 262.2 180 top
R310  100  [SR0603]  88.98 262.2 180 top
R311  100  [SR0603]  91.44 269.72 180 top
R312  100  [SR0603]  81.43 269.72 180 top
R313  100  [SR0603]  71.42 269.72 180 top
R314  100  [SR0603]  62.48 272.21 0 top
R315  0  [SR0603]  85.39 318.11 180 top
R316  x  [SR0603]  85.39 319.63 180 top
R317  x  [SR0603]  67.19 279.37 270 top
R318  0  [SR0603]  76.2 274.24 180 top
R319  x  [SR0603]  76.2 275.71 180 top
R320  50  [SR0603]  92.43 327.86 90 top
R321  50  [SR0603]  86.41 277.85 270 top
R322  100  [SR0402]  79.04 293.32 90 top
R323  100  [SR0402]  77.52 294.59 90 top
R324  100  [SR0402]  79.04 295.91 270 top
R325  100  [SR0402]  77.47 297.21 90 top
R334  100  [SR0603]  331.44 238.38 180 top
R335  100  [SR0603]  332.21 255.43 90 top
R336  100  [SR0603]  322.2 245.45 90 top
R337  100  [SR0603]  317.49 253.72 180 top
R338  100  [SR0603]  312.19 245.45 90 top
R339  100  [SR0603]  309.73 251.43 270 top
R340  100  [SR0603]  302.21 245.45 90 top
R341  100  [SR0603]  299.72 251.45 270 top
R342  100  [SR0603]  292.2 245.45 90 top
R343  100  [SR0603]  291.46 254.66 180 top
R344  100  [SR0603]  282.96 254.71 0 top
R345  100  [SR0603]  284.69 242.95 0 top
R346  100  [SR0603]  274.7 251.45 270 top
R347  100  [SR0603]  262.97 249.71 0 top
R348  100  [SR0603]  281.91 232.21 180 top
R349  100  [SR0603]  274.7 241.44 270 top
R350  100  [SR0603]  265.44 242.21 0 top
R351  100  [SR0603]  260.28 239.5 0 top
R352  100  [SR0603]  271.87 232.21 180 top
R353  100  [SR0603]  263.97 233.68 0 top
R354  100  [SR0603]  261.43 231.44 0 top
R355  100  [SR0603]  321.21 232.98 90 top
R356  100  [SR0603]  324.29 230.73 0 top
R357  100  [SR0603]  333.68 230.45 270 top
R358  100  [SR0603]  271.32 225.56 90 top
R359  100  [SR0603]  274.71 221.31 0 top
R360  100  [SR0603]  322.37 224.71 180 top
R361  100  [SR0603]  323.95 222.17 270 top
R362  100  [SR0603]  329.72 221.43 270 top
R363  100  [SR0603]  269.92 221.23 180 top
R364  100  [SR0603]  262.56 225.16 270 top
R365  100  [SR0603]  259.74 221.45 270 top
R366  100  [SR0603]  260.48 216.06 90 top
R367  100  [SR0603]  259.59 208.62 90 top
R368  100  [SR0603]  265.47 212.19 180 top
R369  100  [SR0603]  265.92 208.97 0 top
R370  100  [SR0603]  329.72 212.96 90 top
R371  100  [SR0603]  322.2 215.4 90 top
R372  100  [SR0603]  325.87 208.99 180 top
R373  100  [SR0603]  277.09 210.35 90 top
R374  100  [SR0603]  259.71 202.95 90 top
R375  100  [SR0603]  265.75 199.95 90 top
R376  100  [SR0603]  262.2 195.43 90 top
R377  100  [SR0603]  269.74 202.97 90 top
R378  100  [SR0603]  271.3 199.96 0 top
R379  100  [SR0603]  269.71 192.96 90 top
R380  100  [SR0603]  331.44 204.69 180 top
R381  100  [SR0603]  324.68 202.97 90 top
R382  100  [SR0603]  320.42 202.22 0 top
R383  100  [SR0603]  281.43 199.74 180 top
R384  100  [SR0603]  262.97 184.72 0 top
R385  100  [SR0603]  271.48 183.24 0 top
R386  100  [SR0603]  282.96 189.72 0 top
R387  100  [SR0603]  279.72 182.96 90 top
R388  100  [SR0603]  288.95 182.21 180 top
R389  100  [SR0603]  289.97 193.18 180 top
R390  100  [SR0603]  298.98 182.21 180 top
R391  100  [SR0603]  308.97 182.21 180 top
R392  100  [SR0603]  318.97 182.21 180 top
R393  100  [SR0603]  328.98 182.21 180 top
R394  100  [SR0603]  331.42 189.73 180 top
R395  100  [SR0603]  321.44 189.73 180 top
R396  100  [SR0603]  311.45 189.73 180 top
R397  100  [SR0603]  302.39 192.21 0 top
R398  0  [SR0603]  325.35 238.37 180 top
R399  x  [SR0603]  325.35 239.87 180 top
R400  x  [SR0603]  307.27 199.29 270 top
R401  0  [SR0603]  312.47 194.89 180 top
R402  x  [SR0603]  312.47 196.43 180 top
R403  x  [SR0603]  76.97 271.55 270 top
R404  50  [SR0603]  333.01 247.9 90 top
R405  50  [SR0603]  327.85 197.21 270 top
R410  10k  [SR0603]  78.74 355.51 0 top
R411  10k  [SR0603]  78.61 348.78 180 top
R412  10k  [SR0603]  78.08 341.56 0 top
R413  10k  [SR0603]  389.59 204.34 0 top
R414  10k  [SR0603]  389.59 201.8 0 top
R415  10k  [SR0603]  396.47 203.07 180 bottom
R416  10k  [SR0603]  396.47 197.99 180 bottom
R417  10k  [SR0603]  389.59 199.26 0 top
R418  100  [SR0603]  251.43 238.15 180 top
R419  100  [SR0603]  251.43 254.66 180 top
R420  100  [SR0603]  242.19 245.42 90 top
R421  100  [SR0603]  237.51 253.72 180 top
R422  100  [SR0603]  232.21 245.45 90 top
R423  100  [SR0603]  229.74 251.43 270 top
R424  100  [SR0603]  222.2 245.42 90 top
R425  100  [SR0603]  219.71 251.43 270 top
R426  100  [SR0603]  212.19 245.45 90 top
R427  100  [SR0603]  211.42 254.66 180 top
R428  100  [SR0603]  202.95 254.69 0 top
R429  100  [SR0603]  202.21 245.45 90 top
R430  100  [SR0603]  194.67 251.43 270 top
R431  100  [SR0603]  182.96 249.71 0 top
R432  100  [SR0603]  201.92 232.21 180 top
R433  100  [SR0603]  194.67 241.44 270 top
R434  100  [SR0603]  185.45 242.21 0 top
R435  100  [SR0603]  180.4 239.62 0 top
R436  100  [SR0603]  191.91 232.21 180 top
R437  100  [SR0603]  183.93 233.68 0 top
R438  100  [SR0603]  181.34 231.52 0 top
R439  100  [SR0603]  240.77 232.98 90 top
R440  100  [SR0603]  243.98 230.73 0 top
R441  100  [SR0603]  250.49 232.2 270 top
R442  100  [SR0603]  192.85 224.61 90 top
R443  100  [SR0603]  194.94 222.26 0 top
R444  100  [SR0603]  256.57 235.08 270 top
R445  100  [SR0603]  243.93 222.22 90 top
R446  100  [SR0603]  250.49 222.22 90 top
R447  100  [SR0603]  188.98 222.19 180 top
R448  100  [SR0603]  181.26 225.6 270 top
R449  100  [SR0603]  182.94 219.71 270 top
R450  100  [SR0603]  182.21 215.42 90 top
R451  100  [SR0603]  182.21 208.71 90 top
R452  100  [SR0603]  188.93 212.21 180 top
R453  100  [SR0603]  189.93 208.51 90 top
R454  100  [SR0603]  252.96 211.69 0 top
R455  100  [SR0603]  244.64 212.95 90 top
R456  100  [SR0603]  247.8 210.42 0 top
R457  100  [SR0603]  196.74 210.11 90 top
R458  100  [SR0603]  182.21 205.41 90 top
R459  100  [SR0603]  181.7 197.05 90 top
R460  100  [SR0603]  181.7 192.96 90 top
R461  100  [SR0603]  190.22 200.47 180 top
R462  100  [SR0603]  194.25 195.48 90 top
R463  100  [SR0603]  193.19 191.45 0 top
R464  100  [SR0603]  252.21 202.46 90 top
R465  100  [SR0603]  244.69 202.95 90 top
R466  100  [SR0603]  239.75 202.19 0 top
R467  100  [SR0603]  201.42 199.74 180 top
R468  100  [SR0603]  182.96 184.74 0 top
R469  100  [SR0603]  191.49 183.17 0 top
R470  100  [SR0603]  202.97 189.72 0 top
R471  100  [SR0603]  199.74 182.96 90 top
R472  100  [SR0603]  208.99 182.21 180 top
R473  100  [SR0603]  208.97 192.19 180 top
R474  100  [SR0603]  219 182.21 180 top
R475  100  [SR0603]  228.98 182.21 180 top
R476  100  [SR0603]  238.99 182.21 180 top
R477  100  [SR0603]  249 182.21 180 top
R478  100  [SR0603]  251.43 189.73 180 top
R479  100  [SR0603]  241.43 189.73 180 top
R480  100  [SR0603]  231.44 189.73 180 top
R481  100  [SR0603]  222.48 192.19 0 top
R482  0  [SR0603]  245.39 238.14 180 top
R483  x  [SR0603]  245.39 239.64 180 top
R484  x  [SR0603]  227.34 199.39 270 top
R485  0  [SR0603]  244.04 194.89 180 top
R486  x  [SR0603]  244.04 196.38 180 top
R487  50  [SR0603]  251.81 247.9 90 top
R488  50  [SR0603]  248.57 197.15 270 top
R501  100  [SR0603]  171.44 238.1 180 top
R502  100  [SR0603]  171.44 254.76 180 top
R503  100  [SR0603]  162.2 245.42 90 top
R504  100  [SR0603]  157.5 253.72 180 top
R505  100  [SR0603]  152.2 245.42 90 top
R506  100  [SR0603]  149.73 251.43 270 top
R507  100  [SR0603]  142.19 245.42 90 top
R508  100  [SR0603]  139.75 251.43 270 top
R509  100  [SR0603]  132.21 245.42 90 top
R510  100  [SR0603]  131.44 254.66 180 top
R511  100  [SR0603]  122.97 254.63 0 top
R512  100  [SR0603]  122.2 245.4 90 top
R513  100  [SR0603]  114.68 251.43 270 top
R514  100  [SR0603]  102.98 249.76 0 top
R515  100  [SR0603]  121.94 232.21 180 top
R516  100  [SR0603]  114.66 241.44 270 top
R517  100  [SR0603]  105.42 242.19 0 top
R518  100  [SR0603]  100.57 239.65 0 top
R519  100  [SR0603]  111.93 232.21 180 top
R520  100  [SR0603]  103.95 233.68 0 top
R521  100  [SR0603]  101.43 231.42 0 top
R522  100  [SR0603]  161.04 232.95 90 top
R523  100  [SR0603]  163.94 230.73 0 top
R524  100  [SR0603]  170.48 232.17 270 top
R525  100  [SR0603]  111.73 225.64 90 top
R526  100  [SR0603]  114.84 222.4 0 top
R527  100  [SR0603]  176.02 232.44 90 top
R528  100  [SR0603]  163.91 222.23 90 top
R529  100  [SR0603]  170.48 222.23 90 top
R530  100  [SR0603]  108.98 222.2 180 top
R531  100  [SR0603]  101.35 225.72 270 top
R532  100  [SR0603]  102.95 219.73 270 top
R533  100  [SR0603]  102.21 215.58 90 top
R534  100  [SR0603]  102.46 208.87 90 top
R535  100  [SR0603]  108.96 212.19 180 top
R536  100  [SR0603]  109.98 208.59 90 top
R537  100  [SR0603]  175.47 212.22 0 top
R538  100  [SR0603]  165.41 212.22 0 top
R539  100  [SR0603]  169.42 210.96 180 top
R540  100  [SR0603]  117.09 210.31 90 top
R541  100  [SR0603]  102.18 205.42 90 top
R542  100  [SR0603]  101.52 197.06 90 top
R543  100  [SR0603]  101.73 192.97 90 top
R544  100  [SR0603]  110.46 200.73 180 top
R545  100  [SR0603]  114.04 195.78 90 top
R546  100  [SR0603]  113.21 191.47 0 top
R547  100  [SR0603]  174.67 202.97 90 top
R548  100  [SR0603]  164.66 202.97 90 top
R549  100  [SR0603]  159.26 202.19 0 top
R550  100  [SR0603]  121.44 199.74 180 top
R551  100  [SR0603]  102.97 184.67 0 top
R552  100  [SR0603]  111.48 183.19 0 top
R553  100  [SR0603]  122.96 189.72 0 top
R554  100  [SR0603]  119.75 182.96 90 top
R555  100  [SR0603]  128.96 182.21 180 top
R556  100  [SR0603]  129.01 192.19 180 top
R557  100  [SR0603]  138.99 182.21 180 top
R558  100  [SR0603]  149 182.21 180 top
R559  100  [SR0603]  158.98 182.19 180 top
R560  100  [SR0603]  168.99 182.21 180 top
R561  100  [SR0603]  171.42 189.75 180 top
R562  100  [SR0603]  161.44 189.75 180 top
R563  100  [SR0603]  151.43 189.75 180 top
R564  100  [SR0603]  142.47 192.19 0 top
R565  0  [SR0603]  165.4 238.09 180 top
R566  x  [SR0603]  165.4 239.59 180 top
R567  x  [SR0603]  147.33 199.36 270 top
R568  0  [SR0603]  164.24 195.06 180 top
R569  x  [SR0603]  164.24 196.56 180 top
R570  50  [SR0603]  170.96 247.88 90 top
R571  50  [SR0603]  168.33 197.33 270 top
R584  100  [SR0603]  91.43 238.07 180 top
R585  100  [SR0603]  91.43 254.66 180 top
R586  100  [SR0603]  82.19 245.4 90 top
R587  100  [SR0603]  77.49 253.72 180 top
R588  100  [SR0603]  72.19 245.42 90 top
R589  100  [SR0603]  69.75 251.43 270 top
R590  100  [SR0603]  62.18 245.42 90 top
R591  100  [SR0603]  59.72 251.43 270 top
R592  100  [SR0603]  52.2 245.4 90 top
R593  100  [SR0603]  51.44 254.65 180 top
R594  100  [SR0603]  42.96 254.69 0 top
R595  100  [SR0603]  42.21 245.4 90 top
R598  100  [SR0603]  41.93 232.21 180 top
R601  100  [SR0603]  32.92 239.41 270 top
R604  100  [SR0603]  30.33 240.53 270 top
R605  100  [SR0603]  80.72 232.95 90 top
R606  100  [SR0603]  83.93 230.73 0 top
R607  100  [SR0603]  90.45 232.17 270 top
R608  100  [SR0603]  24.16 238.85 270 top
R609  100  [SR0603]  21.49 238.88 270 top
R610  100  [SR0603]  96.52 235.37 270 top
R611  100  [SR0603]  83.92 222.23 90 top
R612  100  [SR0603]  93.93 222.21 90 top
R614  100  [SR0603]  24.95 218.8 0 top
R617  100  [SR0603]  25.1 216.15 0 top
R619  100  [SR0603]  21.23 195.44 90 top
R620  100  [SR0603]  94.03 213.78 90 top
R621  100  [SR0603]  83.97 213.83 90 top
R622  100  [SR0603]  88.48 214.07 0 top
R623  100  [SR0603]  24.1 195.41 90 top
R625  100  [SR0603]  30.27 193.98 90 top
R628  100  [SR0603]  32.78 195.25 90 top
R630  100  [SR0603]  94.66 202.97 90 top
R631  100  [SR0603]  84.65 202.97 90 top
R632  100  [SR0603]  79.6 202.19 0 top
R633  100  [SR0603]  41.43 199.74 180 top
R636  100  [SR0603]  42.98 189.72 0 top
R637  100  [SR0603]  39.77 182.96 90 top
R638  100  [SR0603]  48.97 182.21 180 top
R639  100  [SR0603]  48.97 192.19 180 top
R640  100  [SR0603]  59 182.21 180 top
R641  100  [SR0603]  69.01 182.21 180 top
R642  100  [SR0603]  78.99 182.21 180 top
R643  100  [SR0603]  88.98 182.21 180 top
R644  100  [SR0603]  91.44 189.75 180 top
R645  100  [SR0603]  81.43 189.75 180 top
R646  100  [SR0603]  71.45 189.75 180 top
R647  100  [SR0603]  62.46 192.21 0 top
R648  0  [SR0603]  85.39 238.09 180 top
R649  x  [SR0603]  85.39 239.59 180 top
R650  x  [SR0603]  67.32 199.44 270 top
R651  0  [SR0603]  85.06 195.01 180 top
R652  x  [SR0603]  85.06 196.51 180 top
R653  50  [SR0603]  91.46 248.01 90 top
R654  50  [SR0603]  88.53 197.28 270 top
R655  100  [SR0402]  77.77 213.26 90 top
R656  100  [SR0402]  79.55 214.58 90 top
R657  100  [SR0402]  77.75 215.9 270 top
R658  100  [SR0402]  79.6 217.2 90 top
R667  100  [SR0603]  331.44 158.22 180 top
R668  100  [SR0603]  331.44 174.65 180 top
R669  100  [SR0603]  322.2 165.39 90 top
R670  100  [SR0603]  319.76 171.44 270 top
R671  100  [SR0603]  312.19 165.39 90 top
R672  100  [SR0603]  307.51 173.74 180 top
R673  100  [SR0603]  302.18 165.41 90 top
R674  100  [SR0603]  299.75 171.44 270 top
R675  100  [SR0603]  292.2 165.41 90 top
R676  100  [SR0603]  291.43 174.65 180 top
R677  100  [SR0603]  282.96 174.66 0 top
R678  100  [SR0603]  282.22 165.41 90 top
R679  100  [SR0603]  274.65 171.44 270 top
R680  100  [SR0603]  262.97 169.75 0 top
R681  100  [SR0603]  281.96 152.2 180 top
R682  100  [SR0603]  274.65 161.43 270 top
R683  100  [SR0603]  265.41 162.2 0 top
R684  100  [SR0603]  260.56 159.18 0 top
R685  100  [SR0603]  271.95 152.2 180 top
R686  100  [SR0603]  263.94 153.67 0 top
R687  100  [SR0603]  261.45 151.41 0 top
R688  100  [SR0603]  320.52 152.97 90 top
R689  100  [SR0603]  323.93 150.72 0 top
R690  100  [SR0603]  330.48 152.19 270 top
R691  100  [SR0603]  272.47 145.02 90 top
R692  100  [SR0603]  274.83 142.05 0 top
R693  100  [SR0603]  326.08 144.65 180 top
R694  100  [SR0603]  324.64 141.44 270 top
R695  100  [SR0603]  334.64 141.44 270 top
R696  100  [SR0603]  269 142.19 180 top
R697  100  [SR0603]  261.57 145.58 270 top
R698  100  [SR0603]  262.94 139.74 270 top
R699  100  [SR0603]  262.2 135.42 90 top
R700  100  [SR0603]  262.23 128.53 90 top
R701  100  [SR0603]  269 132.21 180 top
R702  100  [SR0603]  270.13 128.48 90 top
R703  100  [SR0603]  331.44 134.67 180 top
R704  100  [SR0603]  324.64 132.95 90 top
R705  100  [SR0603]  327.91 128.6 180 top
R706  100  [SR0603]  277.24 130.11 90 top
R707  100  [SR0603]  262.2 125.41 90 top
R708  100  [SR0603]  261.47 117.13 90 top
R709  100  [SR0603]  261.7 112.96 90 top
R710  100  [SR0603]  270.46 120.72 180 top
R711  100  [SR0603]  273.75 116.05 90 top
R712  100  [SR0603]  273.23 111.46 0 top
R713  100  [SR0603]  331.44 124.65 180 top
R714  100  [SR0603]  324.65 122.96 90 top
R715  100  [SR0603]  320.34 122.21 0 top
R716  100  [SR0603]  281.46 119.75 180 top
R717  100  [SR0603]  262.97 104.66 0 top
R718  100  [SR0603]  271.48 103.16 0 top
R719  100  [SR0603]  282.96 109.76 0 top
R720  100  [SR0603]  279.77 102.97 90 top
R721  100  [SR0603]  289 102.2 180 top
R722  100  [SR0603]  289 112.18 180 top
R723  100  [SR0603]  299.01 102.2 180 top
R724  100  [SR0603]  309.02 102.2 180 top
R725  100  [SR0603]  319 102.2 180 top
R726  100  [SR0603]  328.98 102.2 180 top
R727  100  [SR0603]  331.44 109.74 180 top
R728  100  [SR0603]  321.44 109.74 180 top
R729  100  [SR0603]  311.43 109.74 180 top
R730  100  [SR0603]  302.44 112.2 0 top
R731  0  [SR0603]  325.4 158.21 180 top
R732  x  [SR0603]  325.4 159.71 180 top
R733  x  [SR0603]  307.5 119.46 270 top
R734  0  [SR0603]  311.61 115.03 180 top
R736  x  [SR0603]  311.61 116.53 180 top
R737  50  [SR0603]  332.86 167.94 90 top
R738  50  [SR0603]  327.77 117.27 270 top
R743  10k  [SR0603]  80.71 352.98 90 top
R744  10k  [SR0603]  80.5 346.15 270 top
R745  10k  [SR0603]  80.23 338.84 90 top
R746  10k  [SR0603]  389.69 178.94 0 top
R747  10k  [SR0603]  389.69 176.4 0 top
R748  10k  [SR0603]  396.47 177.67 180 bottom
R749  10k  [SR0603]  389.81 148.22 0 top
R750  10k  [SR0603]  396.47 175.13 180 bottom
R751  100  [SR0603]  251.43 158.22 180 top
R752  100  [SR0603]  251.43 174.65 180 top
R753  100  [SR0603]  242.19 165.39 90 top
R754  100  [SR0603]  239.75 171.44 270 top
R755  100  [SR0603]  232.21 165.41 90 top
R756  100  [SR0603]  227.5 173.71 180 top
R757  100  [SR0603]  222.2 165.39 90 top
R758  100  [SR0603]  219.76 171.44 270 top
R759  100  [SR0603]  212.19 165.41 90 top
R760  100  [SR0603]  211.45 174.65 180 top
R761  100  [SR0603]  202.95 174.65 0 top
R762  100  [SR0603]  202.21 165.41 90 top
R763  100  [SR0603]  194.64 171.44 270 top
R764  100  [SR0603]  182.97 169.75 0 top
R765  100  [SR0603]  201.95 152.2 180 top
R766  100  [SR0603]  194.64 161.43 270 top
R767  100  [SR0603]  185.4 162.2 0 top
R768  100  [SR0603]  180.45 159.59 0 top
R769  100  [SR0603]  191.94 152.2 180 top
R770  100  [SR0603]  183.93 153.67 0 top
R771  100  [SR0603]  181.49 151.41 0 top
R772  100  [SR0603]  240.61 152.97 90 top
R773  100  [SR0603]  243.93 150.72 0 top
R774  100  [SR0603]  251.45 149.2 180 top
R775  100  [SR0603]  192.48 144.71 90 top
R776  100  [SR0603]  194.78 142.32 0 top
R777  100  [SR0603]  254.76 154.35 270 top
R778  100  [SR0603]  244.63 142.96 90 top
R779  100  [SR0603]  254.63 142.96 90 top
R780  100  [SR0603]  188.99 142.19 180 top
R781  100  [SR0603]  181.25 145.53 270 top
R782  100  [SR0603]  182.93 139.74 270 top
R783  100  [SR0603]  182.19 135.39 90 top
R784  100  [SR0603]  182.32 128.53 90 top
R785  100  [SR0603]  189.01 132.2 180 top
R786  100  [SR0603]  189.97 128.43 90 top
R787  100  [SR0603]  254.63 132.95 90 top
R788  100  [SR0603]  242.72 132.95 90 top
R789  100  [SR0603]  246.21 130.84 0 top
R790  100  [SR0603]  196.82 129.85 90 top
R791  100  [SR0603]  182.19 125.41 90 top
R792  100  [SR0603]  181.09 117.04 90 top
R793  100  [SR0603]  181.68 112.95 90 top
R794  100  [SR0603]  190.47 120.72 180 top
R795  100  [SR0603]  194.1 115.62 90 top
R796  100  [SR0603]  193.19 111.46 0 top
R797  100  [SR0603]  252.21 122.45 90 top
R798  100  [SR0603]  244.64 122.96 90 top
R799  100  [SR0603]  239.45 122.21 0 top
R800  100  [SR0603]  201.45 119.75 180 top
R801  100  [SR0603]  182.96 104.63 0 top
R802  100  [SR0603]  191.49 103.18 0 top
R803  100  [SR0603]  202.95 109.76 0 top
R804  100  [SR0603]  199.76 102.97 90 top
R805  100  [SR0603]  208.99 102.2 180 top
R806  100  [SR0603]  208.99 112.21 180 top
R807  100  [SR0603]  218.99 102.21 180 top
R808  100  [SR0603]  228.98 102.2 180 top
R809  100  [SR0603]  238.99 102.2 180 top
R810  100  [SR0603]  249 102.2 180 top
R811  100  [SR0603]  251.43 109.74 180 top
R812  100  [SR0603]  241.43 109.74 180 top
R813  100  [SR0603]  231.44 109.74 180 top
R814  100  [SR0603]  222.44 112.21 0 top
R815  0  [SR0603]  245.39 158.21 180 top
R816  x  [SR0603]  245.39 159.71 180 top
R817  x  [SR0603]  227.39 119.43 270 top
R818  0  [SR0603]  243.64 114.49 180 top
R819  x  [SR0603]  243.64 115.99 180 top
R820  50  [SR0603]  251.98 168.45 90 top
R821  50  [SR0603]  247.53 116.76 270 top
R834  100  [SR0603]  171.44 158.09 180 top
R835  100  [SR0603]  171.44 174.65 180 top
R836  100  [SR0603]  162.2 165.39 90 top
R837  100  [SR0603]  159.77 171.44 270 top
R838  100  [SR0603]  152.2 165.41 90 top
R839  100  [SR0603]  147.49 173.71 180 top
R840  100  [SR0603]  142.19 165.39 90 top
R841  100  [SR0603]  139.75 171.44 270 top
R842  100  [SR0603]  132.21 165.41 90 top
R843  100  [SR0603]  131.44 174.65 180 top
R844  100  [SR0603]  122.97 174.65 0 top
R845  100  [SR0603]  122.2 165.39 90 top
R846  100  [SR0603]  114.63 171.44 270 top
R847  100  [SR0603]  102.96 169.77 0 top
R848  100  [SR0603]  121.94 152.2 180 top
R849  100  [SR0603]  114.66 161.43 270 top
R850  100  [SR0603]  105.42 162.2 0 top
R851  100  [SR0603]  100.03 159.38 0 top
R852  100  [SR0603]  111.93 152.2 180 top
R853  100  [SR0603]  103.95 153.67 0 top
R854  100  [SR0603]  101.46 151.38 0 top
R855  100  [SR0603]  160.63 152.97 90 top
R856  100  [SR0603]  163.94 150.72 0 top
R857  100  [SR0603]  171.44 149.15 180 top
R858  100  [SR0603]  112.57 144.61 90 top
R859  100  [SR0603]  114.84 142.29 0 top
R860  100  [SR0603]  175.11 153.89 270 top
R861  100  [SR0603]  163.91 142.22 90 top
R862  100  [SR0603]  173.89 142.22 90 top
R863  100  [SR0603]  109.01 142.21 180 top
R864  100  [SR0603]  101.17 145.69 270 top
R865  100  [SR0603]  102.95 139.74 270 top
R866  100  [SR0603]  102.18 135.39 90 top
R867  100  [SR0603]  102.21 128.46 90 top
R868  100  [SR0603]  109.01 132.21 180 top
R869  100  [SR0603]  109.98 128.48 90 top
R870  100  [SR0603]  174.65 132.95 90 top
R871  100  [SR0603]  162.69 132.95 90 top
R872  100  [SR0603]  166.28 130.89 0 top
R873  100  [SR0603]  116.81 130.13 90 top
R874  100  [SR0603]  102.21 125.38 90 top
R875  100  [SR0603]  101.36 116.94 90 top
R876  100  [SR0603]  101.67 112.95 90 top
R877  100  [SR0603]  110.46 120.72 180 top
R878  100  [SR0603]  114.27 115.77 90 top
R879  100  [SR0603]  113.18 111.46 0 top
R880  100  [SR0603]  174.64 122.96 90 top
R881  100  [SR0603]  164.63 122.96 90 top
R882  100  [SR0603]  160.07 122.21 0 top
R883  100  [SR0603]  121.44 119.75 180 top
R884  100  [SR0603]  102.97 104.63 0 top
R885  100  [SR0603]  109.77 102.97 90 top
R886  100  [SR0603]  122.96 109.76 0 top
R887  100  [SR0603]  119.75 102.97 90 top
R888  100  [SR0603]  129.01 102.2 180 top
R889  100  [SR0603]  129.01 112.21 180 top
R890  100  [SR0603]  139.01 102.2 180 top
R891  100  [SR0603]  149 102.2 180 top
R892  100  [SR0603]  159 102.2 180 top
R893  100  [SR0603]  169.01 102.2 180 top
R894  100  [SR0603]  171.42 109.77 180 top
R895  100  [SR0603]  161.44 109.77 180 top
R896  100  [SR0603]  151.43 109.77 180 top
R897  100  [SR0603]  142.47 112.2 0 top
R898  0  [SR0603]  165.4 158.11 180 top
R899  x  [SR0603]  165.4 159.6 180 top
R900  x  [SR0603]  147.42 119.41 270 top
R901  0  [SR0603]  163.98 115.31 180 top
R902  x  [SR0603]  163.98 116.81 180 top
